# KiCad board LibrePLC32.kicad_pcb
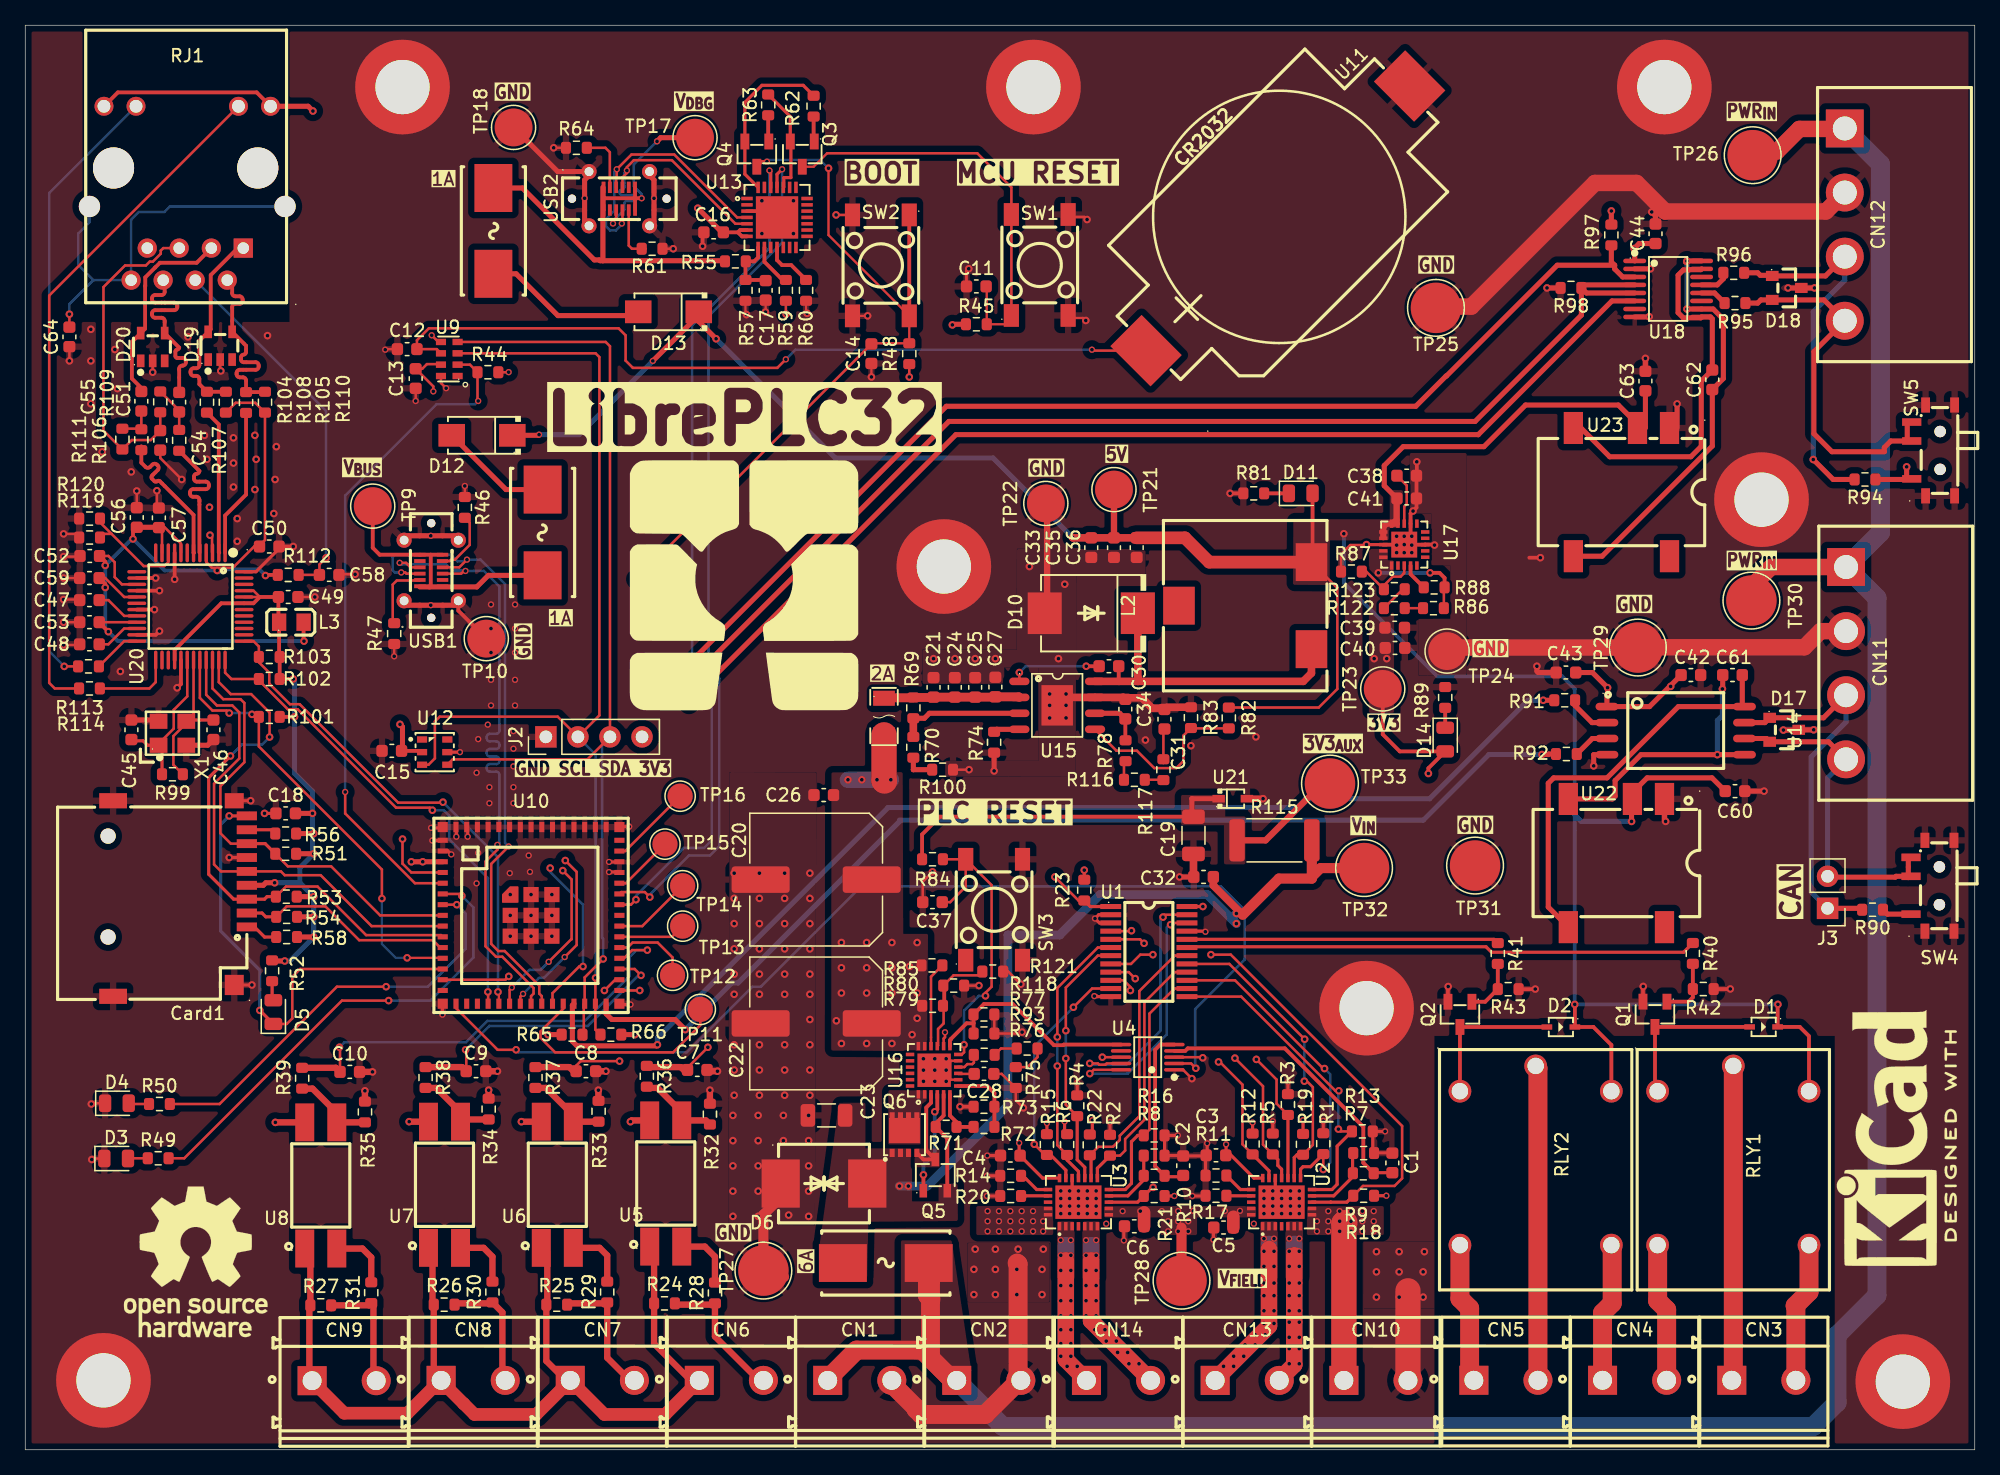
[diagram p0: board, top side]
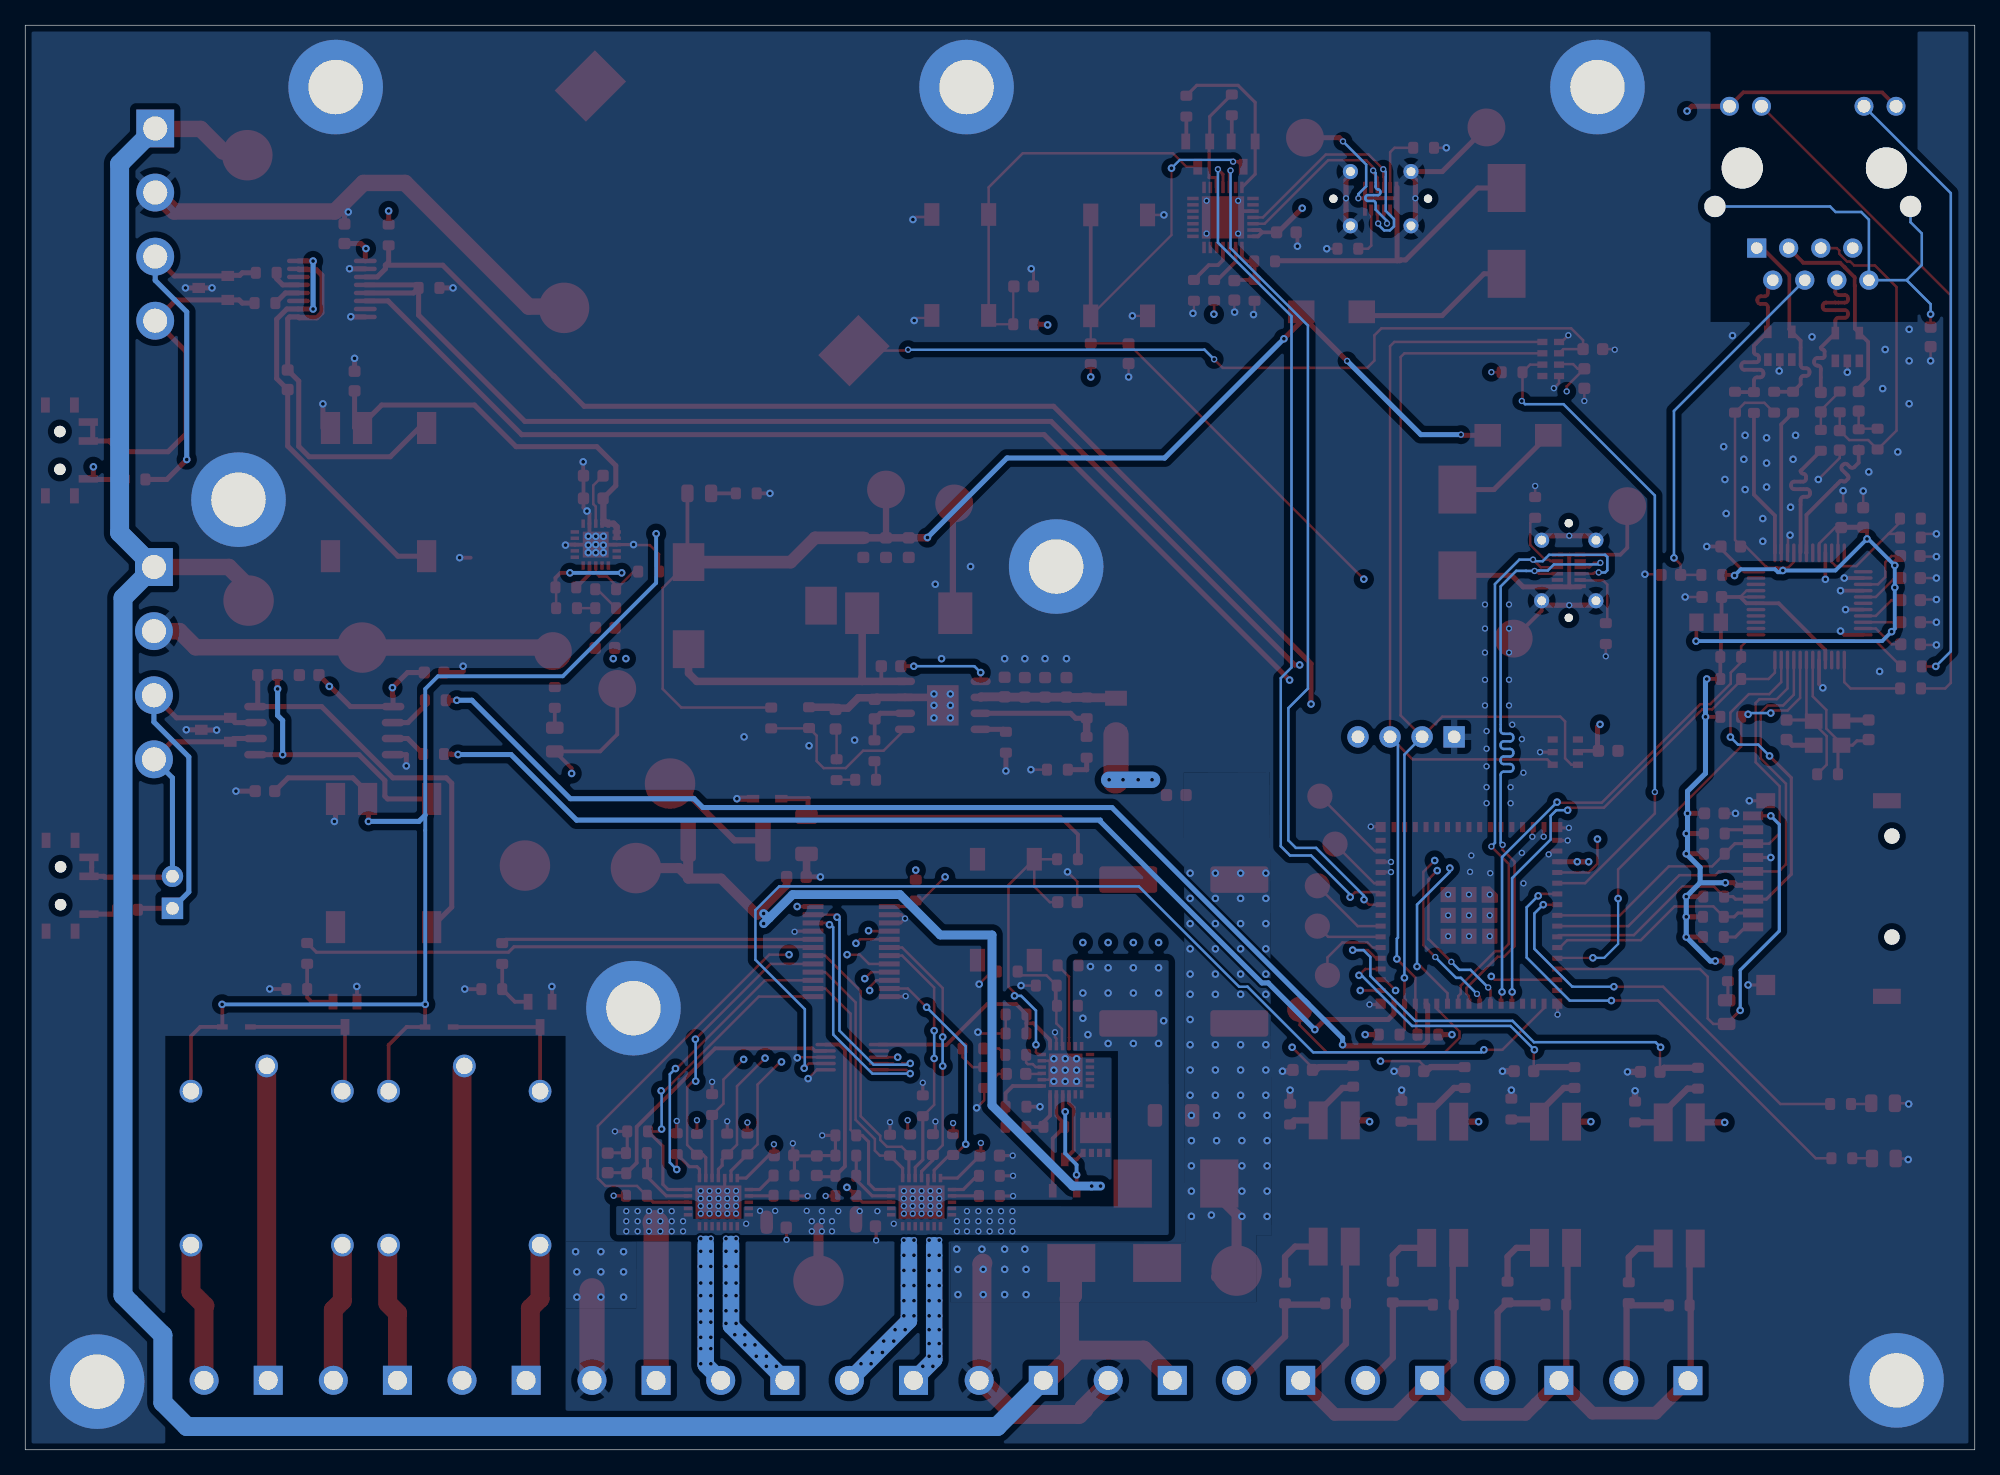
[diagram p1: board, bottom side, seen from below]

Outline 154.5 x 112.9 mm; copper layers: Top, In1.Cu, In2.Cu, Bottom. Coordinates in mm from the lower left corner of the outline.
Outline path: rectangle 0,112.9 154.5,0
Stack: Top 0.035mm / dielectric 0.1mm FR4 er 4.5 / In1.Cu 0.035mm / dielectric 1.24mm FR4 er 4.5 / In2.Cu 0.035mm / dielectric 0.1mm FR4 er 4.5 / Bottom 0.035mm

## Placement (name value [footprint] x y rotation side)
C1  100p  [C_0603_1608Metric]  108.34 22.73 90 top
C2  100p  [C_0603_1608Metric]  91.77 22.51 90 top
C3  2.2u  [C_0603_1608Metric]  94.37 23.33 180 top
C4  2.2u  [C_0603_1608Metric]  78.07 23.31 180 top
C5  100n  [C_0603_1608Metric]  94.97 17.61 180 top
C6  100n  [C_0603_1608Metric]  87.89 17.71 180 top
C7  1n  [C_0603_1608Metric]  53.26 30.1 0 top
C8  1n  [C_0603_1608Metric]  44.44 30 0 top
C9  1n  [C_0603_1608Metric]  35.73 30 0 top
C10  1n  [C_0603_1608Metric]  25.72 29.95 0 top
C11  100n  [C_0603_1608Metric]  75.38 92.2 0 top
C12  100n  [C_0603_1608Metric]  30.27 87.23 0 top
C13  100n  [C_0603_1608Metric]  30.94 84.9 90 top
C14  100n  [C_0603_1608Metric]  67.06 86.87 90 top
C15  100n  [C_0603_1608Metric]  29.05 55.39 180 top
C16  10u  [C_0603_1608Metric]  54.55 96.49 0 top
C17  1u  [C_0603_1608Metric]  58.68 91.89 270 top
C18  100n  [C_0603_1608Metric]  20.64 50.44 0 top
C19  2.2u  [C_1206_3216Metric]  92.58 48.7 270 top
C20  220u  [C_Elec_10x10.2]  62.68 45.19 180 top
C21  2.2u  [C_0603_1608Metric]  71.98 60.42 90 top
C22  220u  [C_Elec_10x10.2]  62.68 33.79 180 top
C23  2.2u  [C_1206_3216Metric]  63.5 26.5 0 top
C24  2.2u  [C_0603_1608Metric]  73.67 60.42 90 top
C25  2.2u  [C_0603_1608Metric]  75.28 60.42 90 top
C26  100n  [C_0603_1608Metric]  63.28 51.89 0 top
C27  2.2u  [C_0603_1608Metric]  76.88 60.45 90 top
C28  100n  [C_0603_1608Metric]  75.98 29.79 180 top
C30  100n  [C_0603_1608Metric]  85.88 62.1 0 top
C31  4.7n  [C_0603_1608Metric]  90.28 57.9 270 top
C32  100n  [C_0603_1608Metric]  93.38 45.4 0 top
C33  47u  [C_0603_1608Metric]  84.48 71.5 90 top
C34  47p  [C_0603_1608Metric]  87.18 58.7 270 top
C35  47u  [C_0603_1608Metric]  86.28 71.5 90 top
C36  47u  [C_0603_1608Metric]  88.08 71.5 90 top
C37  100n  [C_0603_1608Metric]  71.9 43.4 0 top
C38  10u  [C_0603_1608Metric]  109.48 77.2 180 top
C39  100n  [C_0603_1608Metric]  108.53 65.15 180 top
C40  22u  [C_0603_1608Metric]  108.56 63.55 180 top
C41  22u  [C_0603_1608Metric]  109.48 75.4 180 top
C42  100n  [C_0603_1608Metric]  132 61.4 0 top
C43  1u  [C_0603_1608Metric]  122.1 61.6 180 top
C44  100n  [C_0603_1608Metric]  129.2 96.37 90 top
C45  27p  [C_0603_1608Metric]  8.41 57.06 270 top
C46  27p  [C_0603_1608Metric]  14.91 57.06 270 top
C47  4.7u  [C_0603_1608Metric]  5.09 67.34 180 top
C48  10n  [C_0603_1608Metric]  5.09 63.84 180 top
C49  100n  [C_0603_1608Metric]  20.84 67.59 0 top
C50  100n  [C_0603_1608Metric]  19.34 71.59 0 top
C51  6.8n  [C_0603_1608Metric]  12.2 83.02 90 top
C52  100n  [C_0603_1608Metric]  5.11 70.84 180 top
C53  100n  [C_0603_1608Metric]  5.09 65.59 180 top
C54  10n  [C_0603_1608Metric]  10.7 80 270 top
C55  6.8n  [C_0603_1608Metric]  9.2 83.1 90 top
C56  100n  [C_0603_1608Metric]  8.84 73.89 90 top
C57  100n  [C_0603_1608Metric]  10.59 73.86 90 top
C58  22n  [C_0603_1608Metric]  24.09 69.34 0 top
C59  100n  [C_0603_1608Metric]  5.09 69.09 180 top
C60  4.7u  [C_0603_1608Metric]  135.5 52.2 0 top
C61  10u  [C_0603_1608Metric]  135.3 61.4 180 top
C62  10u  [C_0603_1608Metric]  133.7 84.8 90 top
C63  4.7u  [C_0603_1608Metric]  128.4 84.7 90 top
C64  1n  [C_0603_1608Metric]  3.5 88.2 90 top
Card1  TF PUSH  [TF-SMD_TF-PUSH]  12.26 43.69 270 top
CN1  DB128V-5.08-2P-GN-S  [CONN-TH_2P-P5.08_DIBO_DB128V-5.08]  66.13 5.5 0 top
CN2  DB128V-5.08-2P-GN-S  [CONN-TH_2P-P5.08_DIBO_DB128V-5.08]  76.36 5.5 0 top
CN3  DB128V-5.08-2P-GN-S  [CONN-TH_2P-P5.08_DIBO_DB128V-5.08]  137.78 5.51 0 top
CN4  DB128V-5.08-2P-GN-S  [CONN-TH_2P-P5.08_DIBO_DB128V-5.08]  127.54 5.51 0 top
CN5  DB128V-5.08-2P-GN-S  [CONN-TH_2P-P5.08_DIBO_DB128V-5.08]  117.34 5.51 0 top
CN6  DB128V-5.08-2P-GN-S  [CONN-TH_2P-P5.08_DIBO_DB128V-5.08]  55.96 5.5 0 top
CN7  DB128V-5.08-2P-GN-S  [CONN-TH_2P-P5.08_DIBO_DB128V-5.08]  45.73 5.5 0 top
CN8  DB128V-5.08-2P-GN-S  [CONN-TH_2P-P5.08_DIBO_DB128V-5.08]  35.5 5.5 0 top
CN9  DB128V-5.08-2P-GN-S  [CONN-TH_2P-P5.08_DIBO_DB128V-5.08]  25.27 5.47 0 top
CN10  DB128V-5.08-2P-GN-S  [CONN-TH_2P-P5.08_DIBO_DB128V-5.08]  107.04 5.5 0 top
CN11  DB2ERC-5.08-4P  [CONN-TH_4P-P5.08_DB2ERC-5.08-4P]  144.3 62.34 90 top
CN12  DB2ERC-5.08-4P  [CONN-TH_4P-P5.08_DB2ERC-5.08-4P]  144.2 97.1 90 top
CN13  DB128V-5.08-2P-GN-S  [CONN-TH_2P-P5.08_DIBO_DB128V-5.08]  96.84 5.5 0 top
CN14  DB128V-5.08-2P-GN-S  [CONN-TH_2P-P5.08_DIBO_DB128V-5.08]  86.64 5.5 0 top
D1  1N4148WS  [SOD-323_L1.8-W1.3-LS2.7-RD]  137.77 33.51 180 top
D2  1N4148WS  [SOD-323_L1.8-W1.3-LS2.7-RD]  121.7 33.51 180 top
D3  LED  [LED_0805_2012Metric]  7.21 23.08 0 top
D4  LED  [LED_0805_2012Metric]  7.27 27.46 0 top
D5  LED  [LED_0805_2012Metric]  19.66 34.69 90 top
D6  SMCJ36CA  [SMC_L6.9-W5.9-LS7.9-BI]  63.3 21.1 0 top
D10  B560C  [SMC_L6.9-W5.9-LS7.9-RD]  84.48 66.3 180 top
D11  LED  [LED_0805_2012Metric]  101.08 75.8 0 top
D12  SS34  [SMA_L4.3-W2.7-LS5.1-RD]  36.2 80.4 180 top
D13  SS34  [SMA_L4.3-W2.7-LS5.1-RD]  50.98 90.19 180 top
D14  LED  [LED_0805_2012Metric]  112.53 56.29 270 top
D17  SM24CANA-02HTG  [SOT-23_L2.9-W1.3-P1.90-LS2.4-BR]  139.4 57.06 180 top
D18  CDSOT23-SM712  [SOT-23_L2.9-W1.3-P1.90-LS2.4-BR]  139.6 92.08 180 top
D19  TS3314PLX  [SOT-23-5_L2.9-W1.6-P0.95-LS2.8-BR]  15.45 87.5 270 top
D20  TS3314PLX  [SOT-23-5_L2.9-W1.6-P0.95-LS2.8-BR]  10.1 87.4 270 top
F2  BSMD1206C-1200T  [F1206]  68.06 58.11 270 top
FH1  01550900M  [FUSE-SMD_L9.8-W5.0_01550900M]  68.2 14.8 180 top
FH2  01550900M  [FUSE-SMD_L9.8-W5.0_01550900M]  41 72.7 270 top
FH3  01550900M  [FUSE-SMD_L9.8-W5.0_01550900M]  37.1 96.6 90 top
G***  -  [LOGO]  56.98 68.01 0 top
H1  MountingHole_Pad  [MountingHole_4.3mm_M4_DIN965_Pad_TopBottom]  6.2 5.5 0 top
H2  MountingHole_Pad  [MountingHole_4.3mm_M4_DIN965_Pad_TopBottom]  148.8 5.4 0 top
H3  MountingHole_Pad  [MountingHole_4.3mm_M4_DIN965_Pad_TopBottom]  129.9 108 0 top
H4  MountingHole_Pad  [MountingHole_4.3mm_M4_DIN965_Pad_TopBottom]  29.9 108 0 top
H5  MountingHole_Pad  [MountingHole_4.3mm_M4_DIN965_Pad_TopBottom]  106.3 35 0 top
H6  MountingHole_Pad  [MountingHole_4.3mm_M4_DIN965_Pad_TopBottom]  79.9 108 0 top
H7  MountingHole_Pad  [MountingHole_4.3mm_M4_DIN965_Pad_TopBottom]  72.8 70 0 top
H8  MountingHole_Pad  [MountingHole_4.3mm_M4_DIN965_Pad_TopBottom]  137.6 75.3 0 top
J2  Conn_01x04_Pin  [PinHeader_1x04_P2.54mm_Vertical]  41.26 56.5 90 top
J3  Conn_01x02_Pin  [PinHeader_1x02_P2.54mm_Vertical]  142.84 42.91 180 top
L2  7.2u  [IND-SMD_3P-L13.5-W13.0-P6.9]  96.68 66.9 90 top
L3  BLM21PG300SN1D  [L0805]  21.09 65.59 0 top
Q1  AO3400A  [SOT-23-3_L2.9-W1.3-P1.90-LS2.4-BR]  129.16 34.51 90 top
Q2  AO3400A  [SOT-23-3_L2.9-W1.3-P1.90-LS2.4-BR]  113.7 34.51 90 top
Q3  L8050QLT1G  [SOT-23-3_L2.9-W1.3-P1.90-LS2.4-BR]  61.58 102.69 90 top
Q4  L8050QLT1G  [SOT-23-3_L2.9-W1.3-P1.90-LS2.4-BR]  57.98 102.69 90 top
Q5  BSS138LT1G  [SOT-23-3_L2.9-W1.6-P1.90-LS2.8-BR]  72.12 21.77 270 top
Q6  CSD19537Q3  [DFN-8_L3.3-W3.3-P0.65-BL-3]  69.68 24.99 0 top
R1  100k  [R_0603_1608Metric]  102.87 24.26 90 top
R2  100k  [R_0603_1608Metric]  85.97 24.14 90 top
R3  100k  [R_0603_1608Metric]  100.07 27.36 90 top
R4  100k  [R_0603_1608Metric]  83.37 27.26 90 top
R5  100k  [R_0603_1608Metric]  98.87 24.23 90 top
R6  100k  [R_0603_1608Metric]  82.57 24.19 90 top
R7  620  [R_0603_1608Metric]  106.07 23.51 0 top
R8  620  [R_0603_1608Metric]  89.47 23.31 0 top
R9  10k  [R_0603_1608Metric]  106.04 21.91 0 top
R10  10k  [R_0603_1608Metric]  89.47 21.71 0 top
R11  5.1k  [R_0603_1608Metric]  94.37 21.73 180 top
R12  10k  [R_0603_1608Metric]  97.27 24.23 270 top
R13  100k  [R_0603_1608Metric]  105.97 25.23 0 top
R14  5.1k  [R_0603_1608Metric]  78.09 21.71 180 top
R15  10k  [R_0603_1608Metric]  80.97 24.19 270 top
R16  100k  [R_0603_1608Metric]  89.47 24.91 0 top
R17  5.1k  [R_0603_1608Metric]  94.37 20.13 180 top
R18  10k  [R_0603_1608Metric]  106.07 20.13 180 top
R19  100k  [R_0603_1608Metric]  101.27 24.21 270 top
R20  5.1k  [R_0603_1608Metric]  78.09 20.11 180 top
R21  10k  [R_0603_1608Metric]  89.47 20.11 180 top
R22  100k  [R_0603_1608Metric]  84.37 24.16 270 top
R23  10k  [R_0603_1608Metric]  83.93 44.35 270 top
R24  6.2k  [R_0603_1608Metric]  50.66 11.6 180 top
R25  6.2k  [R_0603_1608Metric]  42.12 11.5 180 top
R26  6.2k  [R_0603_1608Metric]  33.2 11.5 180 top
R27  6.2k  [R_0603_1608Metric]  23.42 11.45 180 top
R28  6.2k  [R_0603_1608Metric]  54.66 12.43 90 top
R29  6.2k  [R_0603_1608Metric]  46.12 12.5 90 top
R30  6.2k  [R_0603_1608Metric]  37.03 12.5 90 top
R31  6.2k  [R_0603_1608Metric]  27.42 12.45 90 top
R32  10k  [R_0603_1608Metric]  54.26 26.6 270 top
R33  10k  [R_0603_1608Metric]  45.44 26.83 270 top
R34  10k  [R_0603_1608Metric]  36.73 27 270 top
R35  10k  [R_0603_1608Metric]  26.92 26.77 270 top
R36  1k  [R_0603_1608Metric]  49.26 29.6 270 top
R37  1k  [R_0603_1608Metric]  40.44 29.5 270 top
R38  1k  [R_0603_1608Metric]  31.73 29.5 270 top
R39  1k  [R_0603_1608Metric]  21.95 29.45 270 top
R40  1k  [R_0603_1608Metric]  132.16 39.34 270 top
R41  1k  [R_0603_1608Metric]  116.7 39.33 270 top
R42  100k  [R_0603_1608Metric]  132.98 36.51 180 top
R43  100k  [R_0603_1608Metric]  117.53 36.51 180 top
R44  5.1k  [R_0603_1608Metric]  36.67 85.4 0 top
R45  10k  [R_0603_1608Metric]  75.38 89.2 0 top
R46  5.1k  [R_0603_1608Metric]  34.84 74.69 270 top
R47  5.1k  [R_0603_1608Metric]  29.24 64.69 270 top
R48  10k  [R_0603_1608Metric]  70.06 86.87 90 top
R49  470  [R_0603_1608Metric]  10.54 23.1 0 top
R50  470  [R_0603_1608Metric]  10.64 27.4 0 top
R51  10k  [R_0603_1608Metric]  20.64 47.24 0 top
R52  470  [R_0603_1608Metric]  19.56 37.96 90 top
R53  10k  [R_0603_1608Metric]  20.69 43.84 0 top
R54  10k  [R_0603_1608Metric]  20.71 42.24 0 top
R55  5.1k  [R_0603_1608Metric]  56.28 94.19 0 top
R56  10k  [R_0603_1608Metric]  20.64 48.84 0 top
R57  10k  [R_0603_1608Metric]  57.08 91.89 90 top
R58  10k  [R_0603_1608Metric]  20.71 40.64 0 top
R59  1k  [R_0603_1608Metric]  60.28 91.89 90 top
R60  10k  [R_0603_1608Metric]  61.88 91.89 90 top  (not fitted)
R61  5.1k  [R_0603_1608Metric]  49.68 95.19 180 top
R62  10k  [R_0603_1608Metric]  62.48 106.49 90 top
R63  10k  [R_0603_1608Metric]  58.88 106.59 90 top
R64  5.1k  [R_0603_1608Metric]  43.68 103.19 180 top
R65  5.1k  [R_0603_1608Metric]  43.34 32.9 0 top
R66  5.1k  [R_0603_1608Metric]  46.41 32.9 180 top
R69  100k  [R_0603_1608Metric]  70.38 58.8 270 top
R70  10k  [R_0603_1608Metric]  70.38 55.67 270 top
R71  383k  [R_0603_1608Metric]  72.98 25.59 0 top
R72  56k  [R_0603_1608Metric]  75.98 25.59 0 top
R73  15k  [R_0603_1608Metric]  75.98 27.19 180 top
R74  243k  [R_0603_1608Metric]  76.78 56.07 270 top
R75  1k  [R_0603_1608Metric]  78.5 29.5 270 top
R76  1k  [R_0603_1608Metric]  79.4 31.8 0 top
R77  6.2k  [R_0603_1608Metric]  75.98 32.99 0 top
R78  10k  [R_0603_1608Metric]  87.2 55.4 270 top
R79  100k  [R_0603_1608Metric]  71.91 35.19 0 top
R80  10k  [R_0603_1608Metric]  73.58 36.79 0 top
R81  1k  [R_0603_1608Metric]  97.36 75.8 180 top
R82  52.5k  [R_0603_1608Metric]  95.38 58 270 top
R83  10k  [R_0603_1608Metric]  92.38 58.02 90 top
R84  10k  [R_0603_1608Metric]  71.9 46.8 0 top
R85  100k  [R_0603_1608Metric]  71.86 38.39 0 top
R86  10k  [R_0603_1608Metric]  111.6 66.7 180 top
R87  5.1k  [R_0603_1608Metric]  105.1 69.6 180 top
R88  100k  [R_0603_1608Metric]  111.66 68.35 0 top
R89  470  [R_0603_1608Metric]  112.53 59.62 90 top
R90  120  [R_0603_1608Metric]  146.4 42.8 180 top
R91  0  [R_0603_1608Metric]  122 59.4 180 top
R92  0  [R_0603_1608Metric]  122.14 55.14 180 top
R93  1k  [R_0603_1608Metric]  76 31.3 0 top
R94  120  [R_0603_1608Metric]  145.8 76.9 180 top
R95  10  [R_0603_1608Metric]  135.5 90.88 180 top
R96  10  [R_0603_1608Metric]  135.4 93.28 180 top
R97  10k  [R_0603_1608Metric]  125.7 96.28 270 top
R98  10k  [R_0603_1608Metric]  122.5 92.08 180 top
R99  1M  [R_0603_1608Metric]  11.66 53.54 0 top
R100  10k  [R_0603_1608Metric]  72.7 53.9 0 top
R101  10k  [R_0603_1608Metric]  19.34 58.09 180 top
R102  10k  [R_0603_1608Metric]  19.34 61.09 180 top
R103  10k  [R_0603_1608Metric]  19.34 62.84 180 top
R104  33  [R_0603_1608Metric]  14.4 83.02 90 top
R105  33  [R_0603_1608Metric]  17.5 83 90 top
R106  33  [R_0603_1608Metric]  9.2 80.05 90 top
R107  33  [R_0603_1608Metric]  12.2 80 90 top
R108  49  [R_0603_1608Metric]  15.9 83.02 270 top
R109  49  [R_0603_1608Metric]  10.7 83.05 90 top
R110  49  [R_0603_1608Metric]  19 83.02 270 top
R111  49  [R_0603_1608Metric]  7.7 80.1 90 top
R112  10  [R_0603_1608Metric]  20.84 69.34 0 top
R113  470  [R_0603_1608Metric]  5.01 62.09 0 top
R114  470  [R_0603_1608Metric]  5.09 60.34 0 top
R115  3k  [R_2512_6332Metric]  99 48.3 0 top
R116  6.2k  [R_0603_1608Metric]  87.9 53.1 0 top
R117  620  [R_0603_1608Metric]  90.2 53.9 90 top
R118  6.2k  [R_0603_1608Metric]  75.97 34.5 0 top
R119  6.2k  [R_0603_1608Metric]  5.1 72.3 180 top
R120  6.2k  [R_0603_1608Metric]  5.1 73.8 180 top
R121  10k  [R_0603_1608Metric]  76.68 37.9 0 top
R122  5.1k  [R_0603_1608Metric]  108.5 66.7 180 top
R123  1k  [R_0603_1608Metric]  108.5 68.2 180 top
REF**  -  [KiCad-Logo2_8mm_SilkScreen]  147.5 24.7 90 top
REF**#2  -  [OSHW-Logo_11.4x12mm_SilkScreen]  13.5 14.9 0 top
RJ1  HR913129A  [RJ45-TH_HR913129A]  12.84 99.59 0 top
RLY1  HF3FF/005-1ZTF  [RELAY-TH_HF3FF-018-1ZT]  135.37 23.32 270 top
RLY2  HF3FF/005-1ZTF  [RELAY-TH_HF3FF-018-1ZT]  119.7 23.32 270 top
SW1  TSD003B08026A03  [SW-SMD_4P-L6.0-W6.0-P4.50-LS8.6]  80.4 93.9 90 top
SW2  TSD003B08026A03  [SW-SMD_4P-L6.0-W6.0-P4.50-LS8.6]  67.81 93.87 270 top
SW3  TSD003B08026A03  [SW-SMD_4P-L6.0-W6.0-P4.50-LS8.6]  76.78 42.8 90 top
SW4  MSK12C02  [SW-TH_MSK12C02]  151.15 44.7 90 top
SW5  MSK12C02  [SW-TH_MSK12C02]  151.2 79.2 90 top
TP9  TestPoint  [TestPoint_Pad_D3.0mm]  27.54 74.79 90 top
TP10  TestPoint  [TestPoint_Pad_D3.0mm]  36.54 64.29 90 top
TP11  TestPoint  [TestPoint_Pad_D2.0mm]  53.5 34.9 0 top
TP12  TestPoint  [TestPoint_Pad_D2.0mm]  51.3 37.6 0 top
TP13  TestPoint  [TestPoint_Pad_D2.0mm]  52.1 41.5 0 top
TP14  TestPoint  [TestPoint_Pad_D2.0mm]  52.1 44.7 0 top
TP15  TestPoint  [TestPoint_Pad_D2.0mm]  50.7 48 0 top
TP16  TestPoint  [TestPoint_Pad_D2.0mm]  51.9 51.8 0 top
TP17  TestPoint  [TestPoint_Pad_D3.0mm]  53.08 103.99 0 top
TP18  TestPoint  [TestPoint_Pad_D3.0mm]  38.7 104.8 0 top
TP21  TestPoint  [TestPoint_Pad_D3.0mm]  86.28 76.1 0 top
TP22  TestPoint  [TestPoint_Pad_D3.0mm]  80.88 75 0 top
TP23  TestPoint  [TestPoint_Pad_D3.0mm]  107.58 60.3 270 top
TP24  TestPoint  [TestPoint_Pad_D3.0mm]  112.68 63.3 270 top
TP25  TestPoint  [TestPoint_Pad_D4.0mm]  111.8 90.5 180 top
TP26  TestPoint  [TestPoint_Pad_D4.0mm]  136.9 102.6 90 top
TP27  TestPoint  [TestPoint_Pad_D4.0mm]  58.5 14.2 90 top
TP28  TestPoint  [TestPoint_Pad_D4.0mm]  91.64 13.4 90 top
TP29  TestPoint  [TestPoint_Pad_D4.0mm]  127.8 63.58 90 top
TP30  TestPoint  [TestPoint_Pad_D4.0mm]  136.8 67.3 90 top
TP31  TestPoint  [TestPoint_Pad_D4.0mm]  114.9 46.3 0 top
TP32  TestPoint  [TestPoint_Pad_D4.0mm]  106.1 46.1 0 top
TP33  TestPoint  [TestPoint_Pad_D4.0mm]  103.4 52.8 0 top
U1  TCA9535PWR  [TSSOP-24_L7.8-W4.4-P0.65-LS6.4-BL]  89.05 39.48 270 top
U2  TPS272C45DRHFR  [VQFN-24_L5.0-W4.0-P0.50-BL-EP-1]  99.57 19.62 0 top
U3  TPS272C45DRHFR  [VQFN-24_L5.0-W4.0-P0.50-BL-EP-1]  83.47 19.62 0 top
U4  ADS1115IDGSR  [MSOP-10_L3.0-W3.0-P0.50-LS5.0-BL]  88.96 31.11 90 top
U5  LTV-814S-TA1-A  [OPTO-SMD-4_L4.6-W6.5-P2.54-LS10.3-BL]  50.76 21.1 0 top
U6  LTV-814S-TA1-A  [OPTO-SMD-4_L4.6-W6.5-P2.54-LS10.3-BL]  42.17 21 0 top
U7  LTV-814S-TA1-A  [OPTO-SMD-4_L4.6-W6.5-P2.54-LS10.3-BL]  33.23 21 0 top
U8  LTV-814S-TA1-A  [OPTO-SMD-4_L4.6-W6.5-P2.54-LS10.3-BL]  23.42 20.95 0 top
U9  RV-3028-C7  [OSC-SMD_8P-L3.2-W1.5-P0.90-BL]  33.61 86.45 90 top
U10  ESP32-S3-MINI-1U  [BULETM-SMD_ESPRESSIF_ESP32-S3-MINI-1U-N8]  40.09 42.35 0 top
U11  BS-0601-SK-4W  [BAT-SMD_BS-06-B4AA012]  99.27 97.6 45 top
U12  AHT20  [SENSOR-SMD_L3.0-W3.0-P1.00-BR]  32.45 55.29 180 top
U13  CP2102N-A02-GQFN28R  [QFN-28_L5.0-W5.0-P0.50-TL-EP3.3]  59.58 97.67 0 top
U14  ISO1042BDWVR  [SOIC-8_L5.9-W7.5-P1.27-LS11.5-BL]  130.8 57 270 top
U15  TPS54560BDDAR  [POWERPAD-SO-8_L4.9-W3.9-P1.27-LS6.0-BL-EP]  81.78 59 270 top
U16  TPS26630RGER  [TQFN-24_L4.0-W4.0-P0.50-TL-EP]  72.03 30.08 90 top
U17  TPS7A5201QRGRRQ1  [VQFN-20_L3.5-W3.5-P0.50-TL-EP]  109.29 71.74 90 top
U18  ISO1500DBQR  [SSOP-16_L4.9-W3.9-P0.64-LS6.0-BL]  130.2 92 270 top
U20  W5500  [LQFP-48_L7.0-W7.0-P0.50-LS9.0-BL]  13.09 66.84 180 top
U21  BZT52C3V3S  [SOD-323_L1.7-W1.3-LS2.5-RD-1]  95.7 51.6 0 top
U22  B0505XT-1WR3  [PWRM-SMD_BXXXXXT-1WR3]  126.1 46.5 180 top
U23  B0505XT-1WR3  [PWRM-SMD_BXXXXXT-1WR3]  126.5 75.9 180 top
USB1  GT-USB-7055BB  [USB-C-TH_GT-USB-7055BB]  32.17 69.69 90 top
USB2  GT-USB-7055BB  [USB-C-TH_GT-USB-7055BB#2]  47.08 99.15 0 top
X1  X322525MRB4SI  [OSC-SMD_4P-L3.2-W2.5-BL_SIT8008BI]  11.66 56.79 0 top

## Library data of the parts
C1-C19 C21 C23-C28 C30-C39 C41-C59 = -: Description: Unpolarized capacitor; ki_fp_filters: C_*
C20 C22 = -: Description: Polarized capacitor; LCSC Part: C125977; ki_fp_filters: CP_*
C40 = -: Description: Unpolarized capacitor; LCSC Part: C86295; ki_fp_filters: C_*
C60-C64 = -: Description: Unpolarized capacitor; KiLib_Generator: SMD_2terminal_chip_molded; ki_fp_filters: C_*
Card1 = -: Datasheet: https://lcsc.com/product-detail/Connector-Card-Sockets_SHOU-HAN-SHOU-HAN-TFDeck-TF-Deck_C393941.html; LCSC Part: C393941; Manufacturer: SHOU HAN(首韩)
CN1-CN10 CN13 CN14 = -: Datasheet: https://www.lcsc.com/datasheet/C2915639.pdf; LCSC Part: C2915639; Manufacturer: DORABO(地博电气)
CN11 CN12 = -: Datasheet: https://lcsc.com/product-detail/Pluggable-System-Terminal-Block_DIBO-DB2ERC-5-08-4P_C395753.html; LCSC Part: C395753; Manufacturer: DORABO(地博电气); MPN: DB2ERC-5.08-4P-GN
D1 D2 = -: Datasheet: https://lcsc.com/product-detail/Switching-Diode_VISHAY_1N4148WS-E3-08_1N4148WS-E3-08_C129905.html; LCSC Part: C129905; Manufacturer: VISHAY(威世); MPN: 1N4148WS-E3-08
D3-D5 D11 D14 = -: Description: Light emitting diode; Sim.Pins: 1=K 2=A; ki_fp_filters: LED* LED_SMD:* LED_THT:*
D6 = -: Datasheet: https://lcsc.com/product-detail/TVS_Littelfuse_SMCJ36CA_SMCJ36CA_C151283.html; LCSC Part: C151283; Manufacturer: Littelfuse(美国力特)
D10 = -: Datasheet: https://www.lcsc.com/datasheet/C6807784.pdf; LCSC Part: C6807784; Manufacturer: FUXINSEMI(富芯森美)
D12 D13 = -: Datasheet: https://www.lcsc.com/datasheet/C908680.pdf; LCSC Part: C908680; Manufacturer: GOODWORK(固得沃克)
D17 = -: Datasheet: https://lcsc.com/product-detail/TVS_Littelfuse_SM24CANA-02HTG_SM24CANA-02HTG_C151236.html; LCSC Part: C151236; Manufacturer: Littelfuse(美国力特)
D18 = -: Datasheet: https://lcsc.com/product-detail/Diodes-ESD_BOURNS-CDSOT23-SM712_C404012.html; LCSC Part: C404012; Manufacturer: BOURNS
D19 D20 = -: Datasheet: https://www.lcsc.com/datasheet/C5156700.pdf; LCSC Part: C5156700; Manufacturer: 晶扬电子
F2 = -: Datasheet: https://www.lcsc.com/datasheet/C41367223.pdf; LCSC Part: C41367223; Manufacturer: BHFUSE(佰宏); Amperage: 2A
FH1 = -: Datasheet: https://lcsc.com/product-detail/Others_Littelfuse_01550900M_Littelfuse-01550900M_C108518.html; LCSC Part: C108518; Manufacturer: Littelfuse(美国力特); Amperage: 6A
FH2 FH3 = -: Datasheet: https://lcsc.com/product-detail/Others_Littelfuse_01550900M_Littelfuse-01550900M_C108518.html; LCSC Part: C108518; Manufacturer: Littelfuse(美国力特); Amperage: 1A
H1-H4 = -: Description: Mounting Hole with connection; ki_fp_filters: MountingHole*Pad*
H5-H8 = -: Description: Mounting Hole with connection; KiLib_Generator: mounting_hardware/mounting_hole; ki_fp_filters: MountingHole*Pad*
J2 = -: Description: Generic connector, single row, 01x04, script generated; ki_fp_filters: Connector*:*_1x??_*
J3 = -: Description: Generic connector, single row, 01x02, script generated; ki_fp_filters: Connector*:*_1x??_*
L2 = -: Datasheet: https://www.lcsc.com/datasheet/C41368782.pdf; LCSC Part: C41368782; Manufacturer: XR(祥如); MPN: XRCEP125-7R2M
L3 = -: Datasheet: https://lcsc.com/product-detail/Ferrite-Beads-And-Chips_muRata_BLM21PG300SN1D_30R-25_C16903.html; LCSC Part: C16903; Manufacturer: muRata(村田)
Q1 Q2 = -: Datasheet: https://www.lcsc.com/datasheet/C42419946.pdf; LCSC Part: C42419946; Manufacturer: ChipNobo(无边界)
Q3 Q4 = -: Datasheet: https://lcsc.com/product-detail/Transistors-NPN-PNP_L8050QLT1G_C49581.html; LCSC Part: C49581; Manufacturer: LRC(乐山无线电)
Q5 = -: Datasheet: https://lcsc.com/product-detail/MOSFET_ON_BSS138LT1G_BSS138LT1G_C82045.html; LCSC Part: C82045; Manufacturer: onsemi(安森美)
Q6 = -: Datasheet: https://www.lcsc.com/datasheet/C478469.pdf; LCSC Part: C478469; Manufacturer: TI(德州仪器)
R1-R66 R69 R70 R74 R78-R85 R88-R92 R94-R99 R101-R114 = -: Description: Resistor; ki_fp_filters: R_*
R71-R73 R75 R77 R86 R87 = -: Description: Resistor; Tolerance: 1%; ki_fp_filters: R_*
R76 R93 R118-R120 R122 R123 = -: Description: Resistor; KiLib_Generator: SMD_2terminal_chip_molded; Tolerance: 1%; ki_fp_filters: R_*
R100 R116 R117 R121 = -: Description: Resistor; KiLib_Generator: SMD_2terminal_chip_molded; ki_fp_filters: R_*
R115 = -: Description: Resistor; KiLib_Generator: SMD_2terminal_chip_molded; LCSC Part: C5270765; ki_fp_filters: R_*
RJ1 = -: Datasheet: https://lcsc.com/product-detail/RJ45_RJ45-LED-With-network-transformer_C70302.html; LCSC Part: C70302; Manufacturer: HANRUN(汉仁)
RLY1 RLY2 = -: Datasheet: https://www.lcsc.com/datasheet/C2764967.pdf; LCSC Part: C2764967; Manufacturer: HF(宏发)
SW1-SW3 = -: Datasheet: https://www.lcsc.com/datasheet/C2888805.pdf; LCSC Part: C2888805; Manufacturer: BZCN(博众电气)
SW4 SW5 = -: Datasheet: https://lcsc.com/product-detail/Toggle-Switches_SHOU-HAN-MSK12C02_C431540.html; LCSC Part: C431540; Manufacturer: SHOU HAN(首韩)
TP9-TP18 TP21-TP33 = -: Description: test point; ki_fp_filters: Pin* Test*
U1 = -: Datasheet: https://www.lcsc.com/datasheet/C22396388.pdf; LCSC Part: C22396388; Manufacturer: UMW(友台半导体); MPN: TCA9535PWR(UMW)
U2 U3 = -: Datasheet: https://www.lcsc.com/datasheet/C3219943.pdf; LCSC Part: C3219943; Manufacturer: TI(德州仪器)
U4 = -: Datasheet: https://lcsc.com/product-detail/Analog-To-Digital-Converters-ADCs_TI_ADS1115IDGSR_ADS1115IDGSR_C37593.html; Description: 16-Bit ADC with Integrated Multiplexer, PGA, Comparator, Oscillator, and Reference, -40 to 125 degC, 10-pin SOP (DGS10), Green (RoHS  no SbBr); LCSC Part: C37593; Manufacturer: TI(德州仪器)
U5-U8 = -: Datasheet: https://lcsc.com/product-detail/SMD-Optocouplers_LTV-814S-TA1-A_C108051.html; LCSC Part: C108051; Manufacturer: LITEON(光宝)
U9 = -: Datasheet: https://www.lcsc.com/datasheet/C3019759.pdf; LCSC Part: C3019759; Manufacturer: Micro Crystal(瑞士微晶); MPN: RV-3028-C7-32.768kHz-1ppm-TA-QC
U10 = -: Datasheet: https://www.espressif.com/sites/default/files/documentation/esp32-s3-mini-1_mini-1u_datasheet_en.pdf; Description: RF Module, ESP32-S3 SoC, Wi-Fi 802.11b/g/n, Bluetooth, BLE, 32-bit, 3.3V, SMD, external antenna; ki_fp_filters: ESP32?S*MINI?1U
U11 = -: Datasheet: https://www.lcsc.com/datasheet/C19089122.pdf; LCSC Part: C19089122; Manufacturer: XUNPU(讯普)